# Altium PCB PCB1.PcbDoc (part 2 of 3)
Units mil, origin at the board's own origin, x right, y up, seen from the top; angles counter-clockwise.
Board outline 15710 x 6180 mil, 2 copper layers (Top Layer, Bottom Layer); 319 components, 269 nets, 1689 pads, 570 vias.
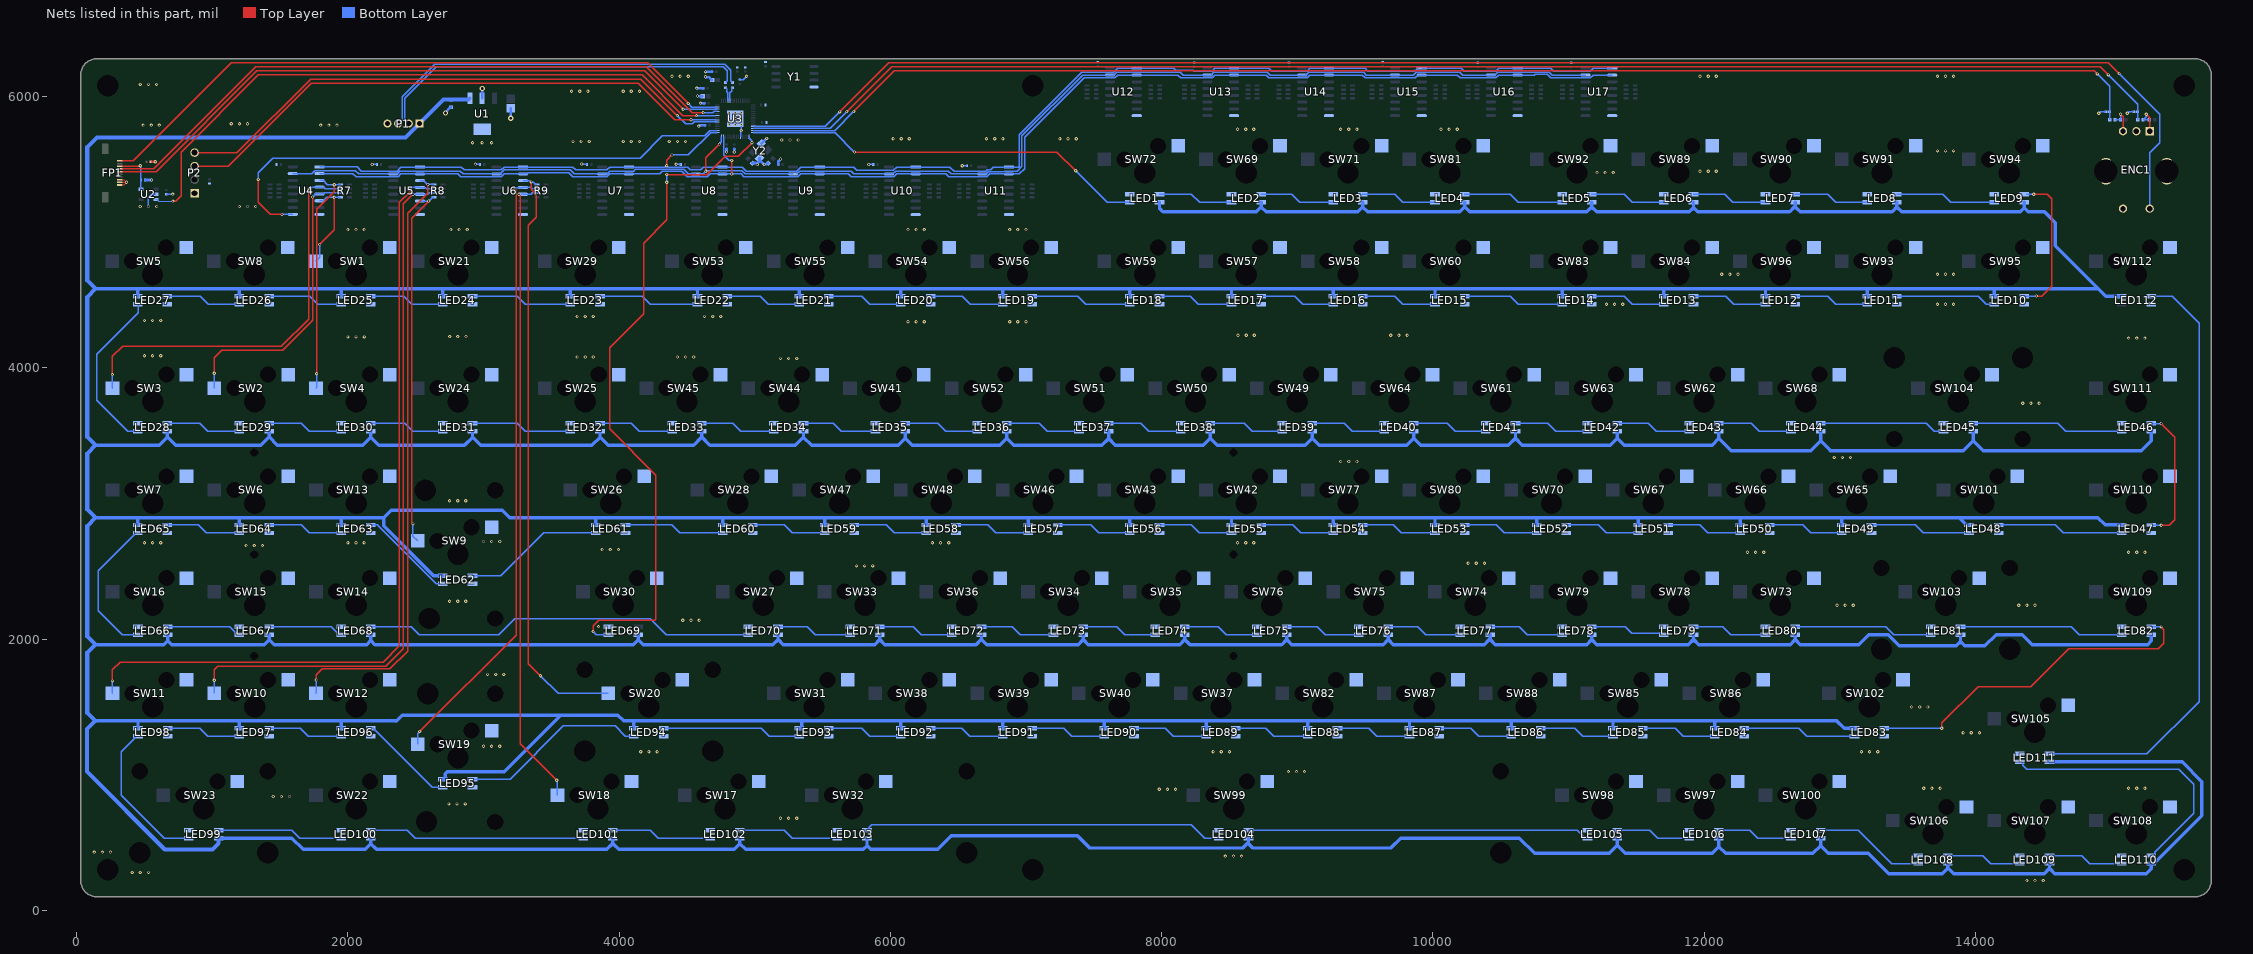
[diagram p2: the nets of this part, all layers, seen from the top]

## Via types
v1: diameter 23.62, hole 11.81, Top Layer to Bottom Layer, 537 vias
v2: diameter 40, hole 20, Top Layer to Bottom Layer, 18 vias
v3: diameter 19.68, hole 11.81, Top Layer to Bottom Layer, 10 vias
v4: diameter 39.37, hole 19.68, Top Layer to Bottom Layer, 3 vias
v5: diameter 80, hole 40, Top Layer to Bottom Layer, 1 vias
v6: diameter 45, hole 30, Top Layer to Bottom Layer, 1 vias

## Nets (pads, with @x,y where several pads share a name; then routed paths per layer and width w, separated by ;. In a path a pad name is that pad's centre, name@x,y a point inside that pad or via, vN(x,y) a via of type N, cw(c..) or ccw(c..) an arc to the next point about the centre after c; other vN are vias at no path point) (continued)
"+5V VCC": C1.1 LED1.1 LED2.1 LED3.1 LED4.1 LED5.1 LED6.1 LED7.1 LED8.1 LED9.1 LED10.1 LED11.1 LED12.1 LED13.1 LED14.1 LED15.1 LED16.1 LED17.1 LED18.1 LED19.1 LED20.1 LED21.1 LED22.1 LED23.1 LED24.1 LED25.1 LED26.1 LED27.1 LED28.1 LED29.1 LED30.1 LED31.1 LED32.1 LED33.1 LED34.1 LED35.1 LED36.1 LED37.1 LED38.1 LED39.1 LED40.1 LED41.1 LED42.1 LED43.1 LED44.1 LED45.1 LED46.1 LED47.1 LED48.1 LED49.1 LED50.1 LED51.1 LED52.1 LED53.1 LED54.1 LED55.1 LED56.1 LED57.1 LED58.1 LED59.1 LED60.1 LED61.1 LED62.1 LED63.1 LED64.1 LED65.1 LED66.1 LED67.1 LED68.1 LED69.1 LED70.1 LED71.1 LED72.1 LED73.1 LED74.1 LED75.1 LED76.1 LED77.1 LED78.1 LED79.1 LED80.1 LED81.1 LED82.1 LED83.1 LED84.1 LED85.1 LED86.1 LED87.1 LED88.1 LED89.1 LED90.1 LED91.1 LED92.1 LED93.1 LED94.1 LED95.1 LED96.1 LED97.1 LED98.1 LED99.1 LED100.1 LED101.1 LED102.1 LED103.1 LED104.1 LED105.1 LED106.1 LED107.1 LED108.1 LED109.1 LED110.1 LED111.1 LED112.1 P1.1 U1.1 | length 114902
  Bottom Layer w25: 136.52,1397.09 137.8,1397.09 2355.18,1397.09 ; 139.45,4584.96 1945.04,4584.96 ; 140,1960 643.82,1960 671.91,1988.09 ; 140,2895.94 2264.46,2895.94 ; 140,3430 610,3430 669.41,3489.41 ; LED65.1@450.59,2842.03 450.59,2895.52 ; LED27.1@450.59,4529.53 450.59,4579.41 ; LED98.1@453.09,1342.03 453.09,1388.09 ; LED28.1@669.41,3532.97 669.41,3489.41 ; LED66.1@671.91,2032.97 671.91,1988.09 ; LED99.1@1046.91,532.97 1587.03,532.97 1670,450 2127.63,450 2169.41,491.78 ; LED97.1@1200.59,1342.03 1200.59,1385.59 ; LED64.1@1200.59,2842.03 1200.59,2894.19 ; LED26.1@1200.59,4529.53 1200.59,4579.41 ; LED67.1@1419.41,2033.17 1419.41,1996.88 ; LED29.1@1419.41,3532.97 1419.41,3491.78 ; 1950,1395 1950.59,1394.41 LED96.1@1950.59,1342.03 ; LED63.1@1950.59,2842.03 1950.59,2892.87 ; LED25.1@1950.59,4529.53 1950.59,4579.41 ; 1950.59,4584.96 14905.04,4584.96 ; LED100.1@2169.41,532.97 2169.41,491.78 ; LED68.1@2169.41,2032.97 2169.41,1990.59 ; LED30.1@2169.41,3532.97 2169.41,3490 ; 2264.46,2895.52 2264.46,2835.54 2631.63,2468.37 2699.24,2468.37 LED62.1@2700.59,2467.03 ; 2264.99,2894.99 2320,2950 3140,2950 3194.06,2895.94 3878.92,2895.94 ; 2355.18,1395 2399.82,1439.64 3570,1439.64 ; LED95.1@2700.59,967.03 2713.23,967.03 2716.87,970.67 2716.87,1007.69 2731.52,1022.33 3152.69,1022.33 3570,1439.64 ; LED24.1@2700.59,4529.53 2700.59,4579.41 ; U1.1@2888.66,5977.56 U1.1@2899.45,5988.35 ; LED31.1@2919.41,3532.97 2919.41,3489.41 ; LED23.1@3640.59,4529.53 3640.59,4579.41 ; LED61.1@3828.09,2842.03 3828.09,2893.44 ; LED32.1@3859.41,3532.97 3859.41,3489.41 ; 3881.42,2895.94 5563.92,2895.94 ; LED101.1@3953.16,532.97 3953.16,493.07 ; LED94.1@4109.34,1342.03 4109.34,1393.58 4112.84,1397.07 5361.69,1397.07 ; 4110,1397.09 4032.91,1397.09 3990.36,1439.64 3570,1439.64 ; LED69.1@4140.66,2032.97 4140.66,1996.82 ; 4570,4580 4578.09,4571.91 LED22.1@4578.09,4529.53 ; LED33.1@4609.41,3532.97 4609.41,3490.59 ; LED60.1@4765.59,2842.03 4765.59,2887.41 ; LED102.1@4890.66,532.97 4890.66,491.82 ; LED70.1@5171.91,2032.97 5171.91,1997.44 ; LED93.1@5328.09,1342.03 5343.4,1342.03 5347.04,1345.67 5347.04,1382.43 5361.69,1397.07 ; LED21.1@5328.09,4529.53 5328.09,4578.09 ; LED34.1@5359.41,3532.41 5359.41,3489.41 ; LED59.1@5515.59,2842.03 5515.59,2887.41 ; 5566.42,2895.94 7063.92,2895.94 ; LED103.1@5828.16,532.97 5828.16,478.16 ; LED71.1@5921.91,2032.97 5921.91,1997.44 ; LED92.1@6078.09,1342.03 6078.09,1392.33 ; LED20.1@6078.09,4529.53 6078.09,4578.09 ; 6080,1394.24 6078.09,1392.33 ; 6080,1397.09 12980,1397.09 ; LED35.1@6109.41,3532.97 6109.41,3481.78 ; LED58.1@6265.59,2842.03 6265.59,2887.41 ; LED72.1@6671.91,2032.97 6671.91,2000.53 ; 6820,1394.24 6828.09,1386.14 LED91.1@6828.09,1342.03 ; LED19.1@6828.09,4529.53 6828.09,4578.09 ; LED36.1@6859.41,3532.97 6859.41,3481.78 ; LED57.1@7015.59,2842.03 7015.59,2887.41 ; 7066.42,2895.94 8563.92,2895.94 ; LED73.1@7421.91,2032.97 7421.91,1997.44 ; LED90.1@7578.09,1342.03 7578.09,1392.33 7580,1394.24 ; LED37.1@7609.41,3532.97 7609.41,3479.41 ; LED56.1@7765.59,2842.03 7765.59,2888.59 ; LED18.1@7765.59,4529.53 7765.59,4575.59 ; LED1.1@7984.41,5220.47 7984.41,5175.59 8010,5150 8696.97,5150 8734.41,5187.44 ; LED74.1@8171.91,2032.97 8171.91,1997.44 ; 8320,1394.24 8328.09,1386.14 LED89.1@8328.09,1342.03 ; LED38.1@8359.41,3532.97 8359.41,3481.78 ; LED55.1@8515.59,2842.03 8515.59,2887.41 ; LED17.1@8515.59,4529.53 8515.59,4575.59 ; 8566.42,2895.94 8686.09,2895.94 10008.24,2895.94 ; LED104.1@8640.66,532.97 8640.66,496.82 8636.82,496.82 ; LED2.1@8734.41,5220.47 8734.41,5187.44 ; LED75.1@8921.91,2032.97 8921.91,1997.44 ; LED88.1@9078.09,1342.03 9078.09,1392.33 9080,1394.24 ; LED39.1@9109.41,3532.97 9109.41,3481.78 ; LED54.1@9265.59,2842.03 9265.59,2887.41 ; LED16.1@9265.59,4529.53 9265.59,4574.41 ; LED3.1@9484.41,5220.47 9484.41,5187.44 ; LED76.1@9671.91,2032.97 9671.91,1997.44 ; LED87.1@9828.09,1342.03 9828.09,1392.33 9830,1394.24 ; LED40.1@9859.41,3532.97 9859.41,3481.78 ; 10009.34,2895.94 13317.14,2895.94 13816.45,2896.04 13879.78,2896.04 ; LED53.1@10015.59,2842.03 10015.59,2888.59 ; LED15.1@10015.59,4529.53 10015.59,4575.59 ; LED4.1@10234.41,5220.47 10234.41,5187.44 ; LED77.1@10421.91,2032.97 10421.91,1997.44 ; LED86.1@10578.09,1342.03 10578.09,1392.33 10580,1394.24 ; LED41.1@10609.41,3532.97 10609.41,3481.78 ; LED52.1@10765.59,2842.03 10765.59,2888.59 ; LED14.1@10953.09,4529.53 10953.09,4573.09 ; LED78.1@11171.91,2032.97 11171.91,1997.44 ; LED5.1@11171.91,5220.47 11171.91,5186.19 ; LED85.1@11328.09,1342.03 11328.09,1392.33 11330,1394.24 ; LED105.1@11359.41,532.97 11359.41,479.41 ; LED42.1@11359.41,3532.97 11359.41,3481.78 ; LED51.1@11515.59,2842.03 11515.59,2888.59 ; LED13.1@11703.09,4529.53 11703.09,4573.09 ; LED79.1@11921.91,2032.97 11921.91,1997.44 ; LED6.1@11921.91,5220.47 11921.91,5181.91 ; LED84.1@12078.09,1342.03 12078.09,1392.33 12080,1394.24 ; LED106.1@12109.41,532.97 12109.41,469.41 ; LED43.1@12109.41,3532.97 12109.41,3480.59 ; LED50.1@12265.59,2842.03 12265.59,2887.41 ; LED12.1@12453.09,4529.53 12453.09,4576.91 ; LED80.1@12671.91,2032.97 12671.91,1997.44 ; LED7.1@12671.91,5220.47 12671.91,5186.19 ; LED107.1@12859.41,532.97 12859.41,476.78 ; LED44.1@12859.41,3532.97 12859.41,3461.78 ; 12980,1394.24 13032.21,1342.03 LED83.1@13109.34,1342.03 ; LED49.1@13015.59,2842.03 13015.59,2888.59 ; LED11.1@13203.09,4529.53 13203.09,4576.91 ; LED8.1@13421.91,5220.47 13421.91,5186.19 ; LED108.1@13796.91,345.47 13796.91,309.28 ; LED81.1@13890.66,2032.97 13890.66,1980.66 ; LED48.1@13953.09,2842.03 13933.8,2842.03 13930.16,2845.67 13879.78,2896.04 ; LED45.1@13984.41,3532.97 13984.41,3463.69 ; LED10.1@14140.59,4529.53 14140.59,4579.41 ; LED9.1@14359.41,5220.47 14359.41,5179.41 ; LED109.1@14546.91,345.47 14546.91,309.28 ; LED111.1@14546.91,1095.47 15524.53,1095.47 15670,950 15670,699.27 15316.2,345.47 LED110.1@15296.91,345.47 15296.91,306.91 15260,270 14586.19,270 14546.91,309.28 ; LED47.1@15078.09,2842.03 14957.97,2842.03 14903.96,2896.04 14391.87,2896.04 13879.78,2896.04 ; LED112.1@15078.09,4529.53 14960.47,4529.53 14905.04,4584.96 ; LED110.1@15273.98,341.83 LED110.1@15277.62,345.47 ; LED82.1@15296.91,2032.97 15296.91,1986.91 15270,1960 14420,1960 14347.03,2032.97 14153.84,2032.97 14070.87,1950 13921.32,1950 13890.66,1980.66 ; LED46.1@15296.91,3532.97 15296.91,3463.03 15223.88,3390 14058.1,3390 13984.41,3463.69 ; 669.41,3489.41 670.59,3489.41 730,3430 1357.63,3430 1419.41,3491.78 ; 671.91,1988.09 700,1960 1382.53,1960 1419.41,1996.88 ; 1419.41,1996.88 1456.29,1960 2138.82,1960 2169.41,1990.59 ; 1419.41,3491.78 1480,3431.19 1480,3430 2109.41,3430 2169.41,3490 ; 2169.41,491.78 2211.19,450 3910.09,450 3953.16,493.07 ; 2169.41,1990.59 2200,1960 4103.84,1960 4140.66,1996.82 ; 2169.41,3490 2229.41,3430 2860,3430 2919.41,3489.41 ; 2919.41,3489.41 2920.59,3489.41 2980,3430 3800,3430 3859.41,3489.41 ; 3859.41,3489.41 3918.82,3430 4548.82,3430 4609.41,3490.59 ; 3953.16,493.07 3996.23,450 4848.84,450 4890.66,491.82 ; 4140.66,1996.82 4177.48,1960 5134.47,1960 5171.91,1997.44 ; 4609.41,3490.59 4670,3430 5300,3430 5359.41,3489.41 ; 4890.66,491.82 4932.48,450 5800,450 5828.16,478.16 ; 5171.91,1997.44 5209.35,1960 5884.47,1960 5921.91,1997.44 ; 5359.41,3489.41 5418.82,3430 6057.63,3430 6109.41,3481.78 ; 5361.69,1397.07 6073.34,1397.07 6078.09,1392.33 ; 5828.16,478.16 5856.32,450 6350,450 6450,550 7380,550 7470,460 8600,460 8636.82,496.82 ; 5921.91,1997.44 5959.35,1960 6631.38,1960 6671.91,2000.53 ; 6109.41,3481.78 6109.41,3480.59 6160,3430 6807.63,3430 6859.41,3481.78 ; 6671.91,2000.53 6712.44,1960 7384.47,1960 7421.91,1997.44 ; 6859.41,3481.78 6859.41,3480.59 6910,3430 7560,3430 7609.41,3479.41 ; 7421.91,1997.44 7422.56,1997.44 7460,1960 8134.47,1960 8171.91,1997.44 ; 7609.41,3479.41 7658.82,3430 8307.63,3430 8359.41,3481.78 ; 8171.91,1997.44 8209.35,1960 8884.47,1960 8921.91,1997.44 ; 8359.41,3481.78 8359.41,3480.59 8410,3430 9057.63,3430 9109.41,3481.78 ; 8636.82,496.82 8673.63,460 9690.66,460 9763.63,532.97 10637.03,532.97 10750,420 11300,420 11359.41,479.41 ; 8734.41,5187.44 8734.41,5185.59 8770,5150 9446.97,5150 9484.41,5187.44 ; 8921.91,1997.44 8959.35,1960 9634.47,1960 9671.91,1997.44 ; 9109.41,3481.78 9161.19,3430 9807.63,3430 9859.41,3481.78 ; 9484.41,5187.44 9484.41,5185.59 9520,5150 10196.97,5150 10234.41,5187.44 ; 9671.91,1997.44 9709.35,1960 10380,1960 10417.44,1997.44 10421.91,1997.44 ; 9859.41,3481.78 9911.19,3430 10557.63,3430 10609.41,3481.78 ; 10234.41,5187.44 10271.85,5150 11135.72,5150 11171.91,5186.19 ; 10421.91,1997.44 10459.35,1960 11134.47,1960 11171.91,1997.44 ; 10609.41,3481.78 10609.41,3480.59 10660,3430 11307.63,3430 11359.41,3481.78 ; 11171.91,1997.44 11209.35,1960 11884.47,1960 11921.91,1997.44 ; 11171.91,5186.19 11208.1,5150 11890,5150 11921.91,5181.91 ; 11359.41,479.41 11418.82,420 12060,420 12109.41,469.41 ; 11359.41,3481.78 11411.19,3430 12058.82,3430 12109.41,3480.59 ; 11921.91,1997.44 11959.35,1960 12634.47,1960 12671.91,1997.44 ; 11921.91,5181.91 11953.82,5150 12630,5150 12666.19,5186.19 12671.91,5186.19 ; 12109.41,469.41 12158.82,420 12802.63,420 12859.41,476.78 ; 12109.41,3480.59 12200,3390 12787.63,3390 12859.41,3461.78 ; 12671.91,1997.44 12709.35,1960 13140,1960 13212.97,2032.97 13357.03,2032.97 13440,1950 13860,1950 13890.66,1980.66 ; 12671.91,5186.19 12708.1,5150 13385.72,5150 13421.91,5186.19 ; 12859.41,476.78 12916.19,420 13210,420 13360,270 13757.63,270 13796.91,309.28 ; 12859.41,3461.78 12930,3391.19 12930,3390 13910.72,3390 13984.41,3463.69 ; 13421.91,5186.19 13458.1,5150 14330,5150 14359.41,5179.41 ; 13796.91,309.28 13800.72,309.28 13840,270 14507.63,270 14546.91,309.28 ; 14359.41,5179.41 14388.82,5150 14510,5150 14590,5070 14590,4900 14905.04,4584.96
  Bottom Layer w30: 78.74,5628.43 78.74,4645.67 139.45,4584.96 78.74,4524.25 78.74,3490.71 139.45,3430 ; 80,5630 150,5700 2426.46,5700 P1.1@2528.11,5801.65 2704.02,5977.56 C1.1@2760,5977.56 U1.1@2888.66,5977.56 ; 136.52,1397.09 77.47,1338.03 77.47,1022.53 650,450 1001.97,450 1046.91,494.94 LED99.1@1046.91,532.97 ; 137.8,1397.09 78.74,1456.14 78.74,1900.94 137.8,1960 ; 140,1960 137.8,1960 ; 140,2895.94 139.45,2895.94 ; 140,3430 139.45,3430 ; 137.8,1960 78.74,2019.06 78.74,2835.24 139.45,2895.94 ; 139.45,2895.94 78.74,2956.65 78.74,3369.29 139.45,3430
CapsLED: LED69.4 U3.15 | length 5022.6
  Top Layer w10: v1(3808.19,2055.66) 3808.19,2098.19 3850,2140 4264.14,2140 4270,2145.86 4270,3210 3930,3550 3930,4150 4180,4400 4180,4920 4351.8,5091.8 v1(4351.8,5368.8) ; v1(4351.8,5426.81) 4354.41,5424.2 4645.05,5424.2 4780.85,5560 4879.23,5560 v1(4980,5660.77)
  Bottom Layer w10: v1(3808.19,2055.66) 3830.88,2032.97 LED69.4@3921.84,2032.97 ; v1(4351.8,5368.8) v1(4351.8,5426.81) ; U3.15@4959.05,5703.82 4959.05,5692.16 4977.39,5673.82 4977.39,5663.38 v1(4980,5660.77)
CLKCTRL: U3.27 U4.2 U5.2 U6.2 U7.2 U8.2 U9.2 U10.2 U11.2 U12.2 U13.2 U14.2 U15.2 U16.2 U17.2 | length 10518.8
  Top Layer w10: v1(4829.96,5429.96) v1(4830,5530)
  Bottom Layer w10: U4.2@1790.96,5432.5 2037.5,5432.5 2060.77,5409.23 2370.06,5409.23 2391.24,5430.41 U5.2@2531.9,5430.41 2809.59,5430.41 2830.77,5409.23 3130.35,5409.23 3151.53,5430.41 U6.2@3292.18,5430.41 3320.94,5430.41 3330.53,5440 3630,5440 3660,5410 3839.7,5410 3840.47,5409.23 3910.63,5409.23 3931.81,5430.41 U7.2@4072.47,5430.41 4300.41,5430.41 4318.62,5448.62 4461.38,5448.62 4500.77,5409.23 4651.51,5409.23 4672.69,5430.41 U8.2@4762.76,5430.41 4899.59,5430.41 4920.77,5409.23 5318.07,5409.23 5339.25,5430.41 U9.2@5479.9,5430.41 5689.59,5430.41 5710.77,5409.23 6025.21,5409.23 6046.39,5430.41 U10.2@6187.05,5430.41 6409.59,5430.41 6430.77,5409.23 6712.36,5409.23 6733.54,5430.41 U11.2@6874.19,5430.41 6950.41,5430.41 6990,5470 6990,5700 7428.37,6138.37 7655.22,6138.37 7676.4,6159.55 U12.2@7817.05,6159.55 8118.52,6159.55 8139.7,6138.37 8372.36,6138.37 8393.54,6159.55 U13.2@8534.2,6159.55 8770.45,6159.55 8791.63,6138.37 9072.11,6138.37 9093.29,6159.55 U14.2@9233.94,6159.55 9480.45,6159.55 9501.63,6138.37 9871,6138.37 9892.18,6159.55 U15.2@9918.49,6159.55 10180.45,6159.55 10201.63,6138.37 10463.8,6138.37 10484.98,6159.55 U16.2@10625.63,6159.55 10746.82,6159.55 10753.26,6166 10842.43,6166 10870.05,6138.37 11160.94,6138.37 11182.12,6159.55 U17.2@11322.78,6159.55 ; U3.27@4770.08,5703.82 4770.04,5703.78 4770.04,5569.96 4810,5530 v1(4830,5530)
CLKINH: U3.28 U4.15 U5.15 U6.15 U7.15 U8.15 U9.15 U10.15 U11.15 U12.15 U13.15 U14.15 U15.15 U16.15 U17.15 | length 10443.8
  Top Layer w10: v1(4640,5450) 4640,5550 v1(4740,5650)
  Bottom Layer w10: U4.15@1594.04,5432.5 1734.7,5432.5 1755.88,5453.68 2056.32,5453.68 2079.59,5430.41 U5.15@2334.98,5430.41 2362.45,5430.41 2383.63,5451.59 2828.41,5451.59 2849.59,5430.41 U6.15@3095.26,5430.41 3122.74,5430.41 3152.33,5460 3249.78,5460 3250.55,5459.23 3333.81,5459.23 3334.58,5460 3640,5460 3669.59,5430.41 U7.15@3875.55,5430.41 3877.92,5432.78 3912.97,5432.78 3931.78,5451.59 4106.46,5451.59 4118.49,5463.62 4476.38,5463.62 4509.59,5430.41 U8.15@4565.84,5430.41 ; U8.15@4593.32,5430.41 4620.41,5430.41 4642.61,5452.61 4650.35,5452.61 4652.67,5454.92 4905.08,5454.92 4929.59,5430.41 U9.15@5282.98,5430.41 ; v1(4740,5650) 4740,5653.69 4754.33,5668.02 U3.28@4754.33,5703.82 ; U9.15@5310.46,5430.41 5331.64,5451.59 5710.78,5451.59 5731.96,5430.41 U10.15@5990.13,5430.41 6017.61,5430.41 6038.79,5451.59 6428.41,5451.59 6449.59,5430.41 U11.15@6677.27,5430.41 6706.93,5430.41 6721.93,5445.41 6832.93,5445.41 6839.11,5451.59 6936.54,5451.59 6970,5485.06 6970,5710 7419.55,6159.55 U12.15@7620.13,6159.55 7647.61,6159.55 7668.79,6180.73 8139.27,6180.73 8160.45,6159.55 U13.15@8337.28,6159.55 8364.76,6159.55 8385.94,6180.73 8779.27,6180.73 8800.45,6159.55 U14.15@9037.02,6159.55 9064.5,6159.55 9085.68,6180.73 9489.27,6180.73 9510.45,6159.55 U15.15@9721.57,6159.55 9855.11,6159.55 9876.29,6180.73 10199.27,6180.73 10220.45,6159.55 U16.15@10428.71,6159.55 10456.19,6159.55 10477.64,6181 10859,6181 10880.45,6159.55 U17.15@11125.86,6159.55
ENCCLK: C15.2 R2.1 U3.12 | length 10621.7
  Top Layer w10: v1(5680,5890) 6010,6220 14920,6220 v1(14980,6160)
  Bottom Layer w10: U3.12@4989.57,5765.83 5043.02,5765.83 5043.2,5765.64 5555.64,5765.64 v1(5680,5890) ; v1(14980,6160) 15196.13,5943.87 C15.2@15196.13,5890 ; R2.1@15196.74,5830.78 C15.2@15196.74,5889.39
ENCDT: C18.1 R3.1 U3.13 | length 10475.4
  Top Layer w10: v1(5731.29,5891.29) 6030,6190 14876.14,6190 v1(14898.49,6167.65)
  Bottom Layer w10: U3.13@4989.57,5750.08 5590.08,5750.08 v1(5731.29,5891.29) ; v1(14898.49,6167.65) 14989.7,6076.44 C18.1@14989.7,5889.98 ; R3.1@14990.73,5830.41 C18.1@14990.73,5890
ENCSW: ENC1.1 U3.11 | length 11448.1
  Top Layer w10: v1(5627.57,5887.57) 5990,6250 14980,6250 v1(15060,6170)
  Bottom Layer w10: U3.11@4989.57,5781.57 5521.57,5781.57 v1(5627.57,5887.57) ; v1(15060,6170) 15360,5870 15360,5660 15285.93,5585.93 ENC1.1@15285.93,5174.41
FP_CTRL: U2.3 U3.37 | length 4828.3
  Top Layer w10: v1(710,5230) 730,5230 770,5270 770,5590 1340,6160 4170,6160 4470,5860 v1(4570,5860)
  Bottom Layer w8: U2.3@584.13,5242.6 591.02,5242.6 598.83,5234.79 598.83,5234.69 603.52,5230 v1(710,5230)
  Bottom Layer w10: v1(4570,5860) 4648.53,5860 4648.85,5860.31 U3.37@4710.1,5860.31
FP_TOUCH_OUT: FP1.1 U3.41 | length 4841.6
  Top Layer w10: FP1.1@317.44,5526.08 416.08,5526.08 1140,6250 4210,6250 v1(4510,5950)
  Bottom Layer w10: v1(4510,5950) 4536.69,5923.31 U3.41@4723.82,5923.31
FP_UART_RX: FP1.5 U3.40 | length 4831.4
  Top Layer w10: FP1.5@317.44,5447.34 587.34,5447.34 1330,6190 4188.71,6190 v1@4471.75,5906.96
  Bottom Layer w10: v1(4471.97,5906.75) 4472.78,5907.56 U3.40@4723.82,5907.56
FP_UART_TX: FP1.4 U3.39 | length 4862.1
  Top Layer w10: FP1.4@317.44,5467.03 567.03,5467.03 1320,6220 4200,6220 4537.68,5882.32 v1(4619.64,5882.32)
  Bottom Layer w10: v1(4619.64,5882.32) 4692.32,5882.32 4701.81,5891.81 U3.39@4723.82,5891.81
FP_VDD: C23.1 FP1.3 U2.5 | length 328.9
  Top Layer w11: FP1.3@317.44,5486.71 463.3,5486.71 466.58,5490 v1(470,5490)
  Bottom Layer w10: v1(470,5490) 472.01,5487.99 472.01,5387.24 C23.1@474.03,5385.23 474.03,5319.24 U2.5@475.87,5317.4
GND: C1.2 C2.2 C3.2 C4.2 C5.2 C6.2 C7.2 C8.2 C9.2 C10.2 C11.2 C12.2 C13.2 C14.2 C15.1 C16.2 C17.2 C18.2 C19.2 C20.2 C21.2 C22.1 C23.2 C24.1 C25.2 C26.2 C27.2 C28.2 C29.2 C30.2 C31.2 C32.2 C33.2 C34.2 C35.2 C36.2 C37.2 C38.2 ENC1.2 ENC1.3 ENC1.4 ENC1.C FP1.8 FP1.9 FP1.10 LED1.3 LED2.3 LED3.3 LED4.3 LED5.3 LED6.3 LED7.3 LED8.3 LED9.3 LED10.3 LED11.3 LED12.3 LED13.3 LED14.3 LED15.3 LED16.3 LED17.3 LED18.3 LED19.3 LED20.3 LED21.3 LED22.3 LED23.3 LED24.3 LED25.3 LED26.3 LED27.3 LED28.3 LED29.3 LED30.3 LED31.3 LED32.3 LED33.3 LED34.3 LED35.3 LED36.3 LED37.3 LED38.3 LED39.3 LED40.3 LED41.3 LED42.3 LED43.3 LED44.3 LED45.3 LED46.3 LED47.3 LED48.3 LED49.3 LED50.3 LED51.3 LED52.3 LED53.3 LED54.3 LED55.3 LED56.3 LED57.3 LED58.3 LED59.3 LED60.3 LED61.3 LED62.3 LED63.3 LED64.3 LED65.3 LED66.3 LED67.3 LED68.3 LED69.3 LED70.3 LED71.3 LED72.3 LED73.3 LED74.3 LED75.3 LED76.3 LED77.3 LED78.3 LED79.3 LED80.3 LED81.3 LED82.3 LED83.3 LED84.3 LED85.3 LED86.3 LED87.3 LED88.3 LED89.3 LED90.3 LED91.3 LED92.3 LED93.3 LED94.3 LED95.3 LED96.3 LED97.3 LED98.3 LED99.3 LED100.3 LED101.3 LED102.3 LED103.3 LED104.3 LED105.3 LED106.3 LED107.3 LED108.3 LED109.3 LED110.3 LED111.3 LED112.3 P1.4 P2.1 pad.MNT@230,6080 SW1.2 SW2.2 SW3.2 SW4.2 SW5.2 SW6.2 SW7.2 SW8.2 SW9.2 SW10.2 SW11.2 SW12.2 SW13.2 SW14.2 SW15.2 SW16.2 SW17.2 SW18.2 SW19.2 SW20.2 SW21.2 SW22.2 SW23.2 SW24.2 SW25.2 SW26.2 SW27.2 SW28.2 SW29.2 SW30.2 SW31.2 SW32.2 SW33.2 SW34.2 SW35.2 SW36.2 SW37.2 SW38.2 SW39.2 SW40.2 SW41.2 SW42.2 SW43.2 SW44.2 SW45.2 SW46.2 SW47.2 SW48.2 SW49.2 SW50.2 SW51.2 SW52.2 SW53.2 SW54.2 SW55.2 SW56.2 SW57.2 SW58.2 SW59.2 SW60.2 SW61.2 SW62.2 SW63.2 SW64.2 SW65.2 SW66.2 SW67.2 SW68.2 SW69.2 SW70.2 SW71.2 SW72.2 SW73.2 SW74.2 SW75.2 SW76.2 SW77.2 SW78.2 SW79.2 SW80.2 SW81.2 SW82.2 SW83.2 SW84.2 SW85.2 SW86.2 SW87.2 SW88.2 SW89.2 SW90.2 SW91.2 SW92.2 SW93.2 SW94.2 SW95.2 SW96.2 SW97.2 SW98.2 SW99.2 SW100.2 SW101.2 SW102.2 SW103.2 SW104.2 SW105.2 SW106.2 SW107.2 SW108.2 SW109.2 SW110.2 SW111.2 SW112.2 U1.2 U1.4 U2.2 U3.19 U3.57 U4.8 U5.8 U6.8 U7.8 U8.8 U9.8 U10.8 U11.8 U12.8 U13.8 U14.8 U15.8 U16.8 U17.8 Y1.4 Y2.2 Y2.4 | length 1667.1
  Top Layer w7.99: FP1.10@317.44,5348.92 318.52,5350 350,5350 368.23,5368.23 v1(368.23,5368.81) ; FP1.9@317.44,5368.6 317.54,5368.71 368.13,5368.71 v1(368.23,5368.81) ; FP1.8@317.44,5388.29 348.76,5388.29 v1(368.23,5368.81)
  Top Layer w19.68: C20.2@545.75,5520 579.72,5520 v1(579.78,5520.06)
  Bottom Layer w7.99: C3.2@3200,5915.31 C3.2@3200.67,5915.98 ; C6.2@4791.73,5615.19 C6.2@4792.15,5614.77 ; v1@4792.15,5592.27 v1(4792.57,5591.85)
  Bottom Layer w10: v1(530,5190) 530,5260 540,5270 540.36,5270 550.36,5280 U2.2@584.13,5280 ; C21.2@660,5280 660.78,5280.78 708.47,5280.78 v1(709.24,5281.56) ; v1(2180,5500) C26.2@2214.25,5500 ; v1(2941.25,5503) 2942.74,5501.5 2972.75,5501.5 C27.2@2974.25,5500 ; v1(3724.85,5503.63) 3726.66,5501.82 3762.43,5501.82 C28.2@3764.25,5500 ; v1(4420,5501.81) 4420.91,5500.91 4453.35,5500.91 C29.2@4454.25,5500 ; C12.2@4626.42,5951.19 4627.54,5952.31 C12.2@4627.61,5952.38 ; C5.2@4890,6125.75 4915.75,6125.75 v1(4940,6150) ; U3.19@4896.06,5703.82 4896.06,5742.38 4900,5746.31 v1(4900,5750) v3(4900,5793.38) ; v1(5840,5500) C31.2@5874.25,5500 ; v1(6530,5490) C32.2@6564.25,5490 ; v1(14910,5878.19) 14913.69,5878.19 14925.49,5889.99 C18.2@14961.8,5889.98 ; v1(15120,5878.19) 15123.69,5878.19 15135.51,5890.01 C15.1@15169.1,5890.02
  Bottom Layer w19.68: C23.2@505.52,5385.23 505.98,5385.23 506.15,5385.4 v1(553.03,5385.4) ; v4(2720,5880) 2720,5884.4 2754.88,5919.28 2756.84,5919.28 C1.2@2760,5922.44 ; U1.2@2990,5988.35 v4(2990,6060) ; v4(3200,5840) C3.2@3200,5915.31 ; v1@4573.25,6062.92 C11.2@4620.94,6062.94 ; v1(4578.43,6004.84) 4579.18,6004.08 4610.98,6004.08 4611.7,6003.36 C17.2@4611.7,6002.56 ; v1(4587.51,5782.49) 4591.19,5782.49 4598.7,5790 C13.2@4634.25,5790 ; v1(4599.78,5952.53) 4600,5952.31 C12.2@4627.54,5952.31 ; v1(4636.86,6146.06) 4639.47,6143.46 4661.57,6143.46 C16.2@4682.09,6122.94 ; v1(4638,6182.53) C4.2@4684.79,6182.53 ; v1@4792.15,5592.27 C6.2@4792.15,5614.77 ; v1@4850.01,5590.46 C9.2@4850.01,5614.8 ; C22.1@4984.09,5509.29 4985.48,5510.68 5008.25,5510.68 ; v1(5020,5500) 5020.75,5500.75 5020.75,5511.27 Y2.2@5035.45,5525.96 ; Y2.2@5035.45,5545.45 5035.45,5534.33 v1@5068.66,5501.11 ; Y2.4@5049.37,5654.02 5086.47,5691.12 5088.41,5691.12 v1(5089.16,5691.87) ; 5081.37,5501.11 5090.94,5510.68 5097.9,5510.68 C24.1@5099.29,5509.29 ; C30.2@5174.25,5500 5174.25,5523.19 5190,5538.93 v1(5190,5540)
  other v1: 14380,220 14440,220 14500,220 410,280 470,280 530,280 8470,400 8530,400 8590,400 130,430 190,430 250,430 5190,680 5250,680 5310,680 2745,785 2805,785 2865,785 1450,840 1510,840 1570,840 7983.12,893.85 8043.12,893.85 8103.12,893.85 13620,900 13680,900 13740,900 15130,900 15190,900 15250,900 8934.65,1023.62 8994.65,1023.62 9054.65,1023.62 4160,1170 4220,1170 4280,1170 8380,1170 8440,1170 8500,1170 13160,1170 13220,1170 13280,1170 3000,1210 3060,1210 3120,1210 13910,1310 13970,1310 14030,1310 13530,1500 13590,1500 13650,1500 3030,1740 3090,1740 3150,1740 3848.68,2092.35 4470,2140 4530,2140 4590,2140 12980,2250 13040,2250 13100,2250 14320,2250 14380,2250 14440,2250 2750,2280 2810,2280 2870,2280 5750,2540 5810,2540 5870,2540 10260,2560 10320,2560 10380,2560 12320,2640 12380,2640 12440,2640 15130,2640 15190,2640 15250,2640 3875,2660 3935,2660 3995,2660 1250,2690 1310,2690 1370,2690 500,2710 560,2710 620,2710 2000,2710 2060,2710 2120,2710 6310,2710 6370,2710 6430,2710 8560,2710 8620,2710 8680,2710 3000,2720 3060,2720 3120,2720 2750,3020 2810,3020 2870,3020 9320,3310 9380,3310 9440,3310 12960,3340 13020,3340 13080,3340 14350,3740 14410,3740 14470,3740 5190,4070 5250,4070 5310,4070 3690,4080 3750,4080 3810,4080 4430,4080 4490,4080 4550,4080 500,4090 560,4090 620,4090 15130,4220 15190,4220 15250,4220 2000.27,4228.41 2060.27,4228.41 2120.27,4228.41 2750.78,4230.8 2810.78,4230.8 2870.78,4230.8 8563.66,4240.42 8623.66,4240.42 8683.66,4240.42 9690,4240.42 9750,4240.42 9810,4240.42 6130,4340 6190,4340 6250,4340 6880,4340 6940,4340 7000,4340 500,4350 560,4350 620,4350 3690,4380 3750,4380 3810,4380 4630,4380 4690,4380 4750,4380 11280,4470 11340,4470 11400,4470 13720,4470 13780,4470 13840,4470 12130,4690 12190,4690 12250,4690 13720,4690 13780,4690 13840,4690 2000,5020 2060,5020 2120,5020 2760,5020 2820,5020 2880,5020 6130,5020 6190,5020 6250,5020 6880,5020 6940,5020 7000,5020 470,5190 590,5190 1200,5190 1260,5190 1320,5190 11210,5440 11270,5440 11330,5440 11970,5450 12030,5450 12090,5450 5069.42,5500.36 4849.55,5591.85 13720,5600 13780,5600 13840,5600 2920,5660 2990,5660 3060,5660 3660,5670 3720,5670 3780,5670 4030,5670 4090,5670 4150,5670 4370,5670 4430,5670 4490,5670 5200,5680 5260,5680 5320,5680 6020,5690 6080,5690 6140,5690 6710,5690 6770,5690 6830,5690 7250,5690 7310,5690 7370,5690 8560,5760 8620,5760 8680,5760 9320,5760 9380,5760 9440,5760 10060,5760 10120,5760 10180,5760 490,5790 550,5790 610,5790 1800,5790 1860,5790 1920,5790 1140,5800 1200,5800 1260,5800 3650,6040 3710,6040 3770,6040 4030,6040 4090,6040 4150,6040 4573.23,6062.9 470,6090 530,6090 590,6090 4390,6150 4450,6150 4510,6150 11970,6150 12030,6150 12090,6150 13720,6150 13780,6150 13840,6150